# KiCad board v2-choc-basil.kicad_pcb (continued)
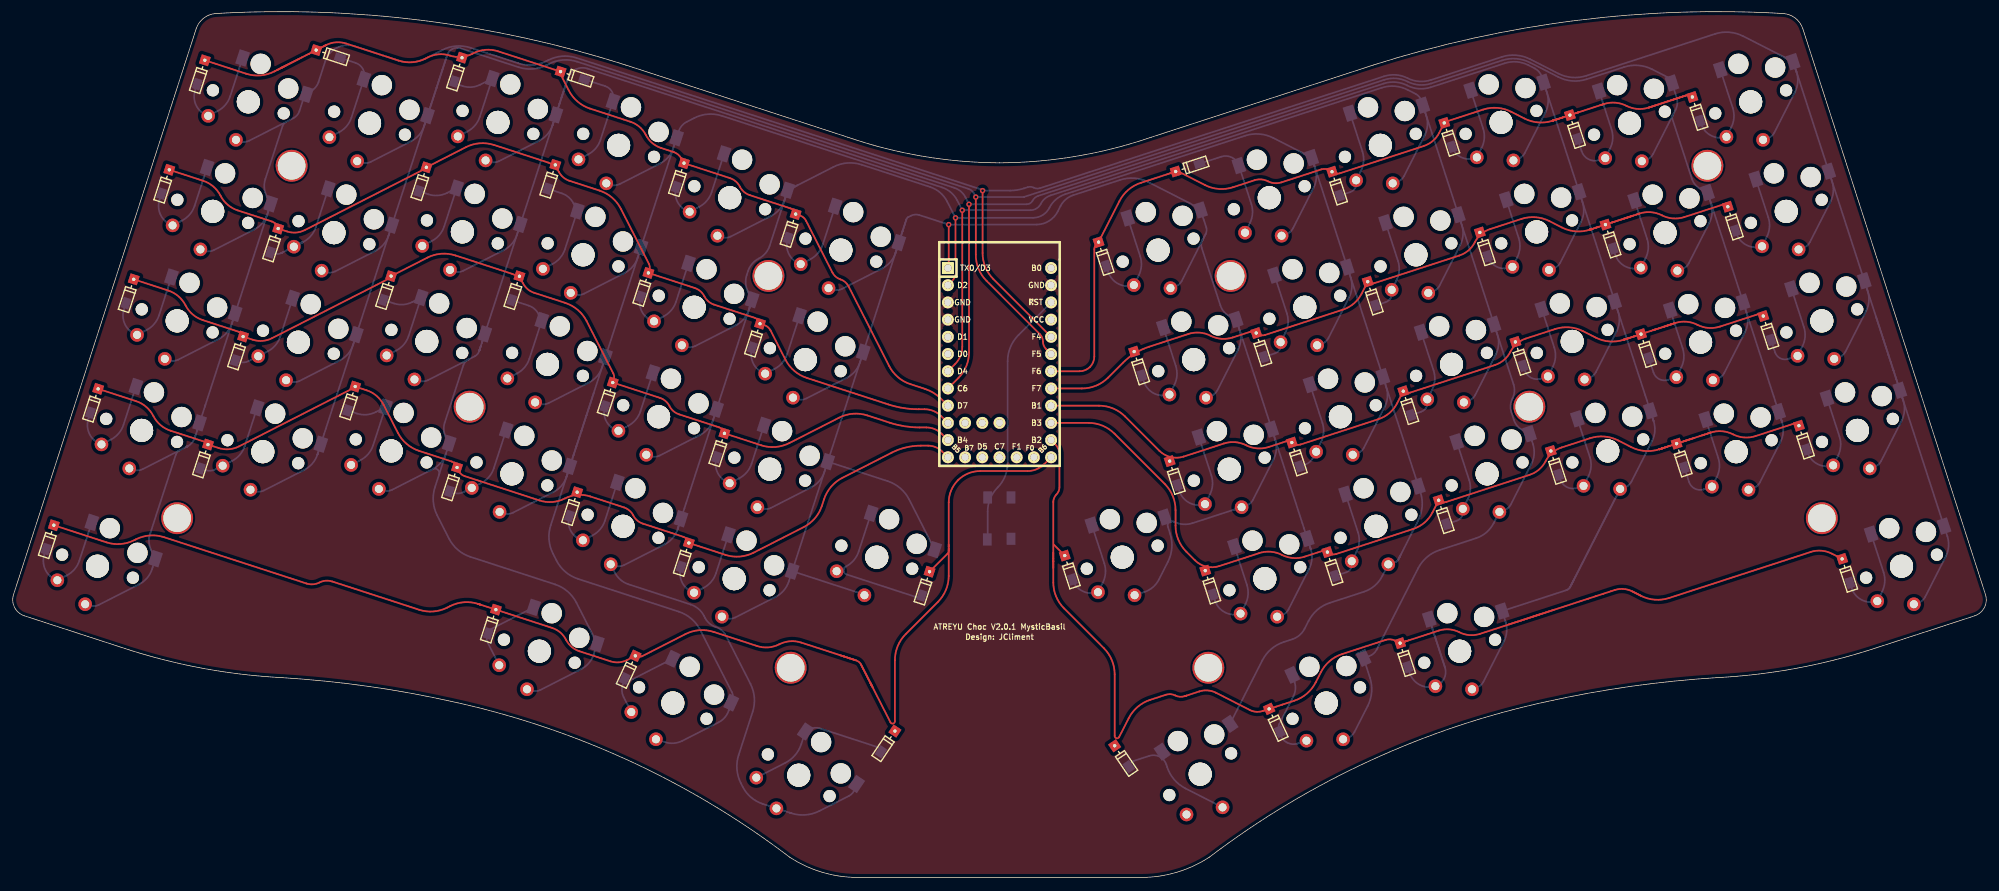
[diagram p0: board, top side]
## Copper pours and planes (outline as drawn; the poured copper is in the pictures)
GND on Top, Bottom: 309.26,32.26 240.2,11.62 187.82,-11.4 108.44,-11.4 63.99,14.8 -16.18,29.88 19.54,142.59 65.58,139.42 98.12,130.68 118.76,121.95 144.95,117.98 179.09,124.33 200.52,133.07 227.5,138.62 270.37,141

## Text on the board
User.Comments: 60 | -14
F.Silkscreen: Design: JCliment | ATREYU Choc V2.0.1 MysticBasil
